# KiCad board SALU.kicad_pcb (continued)
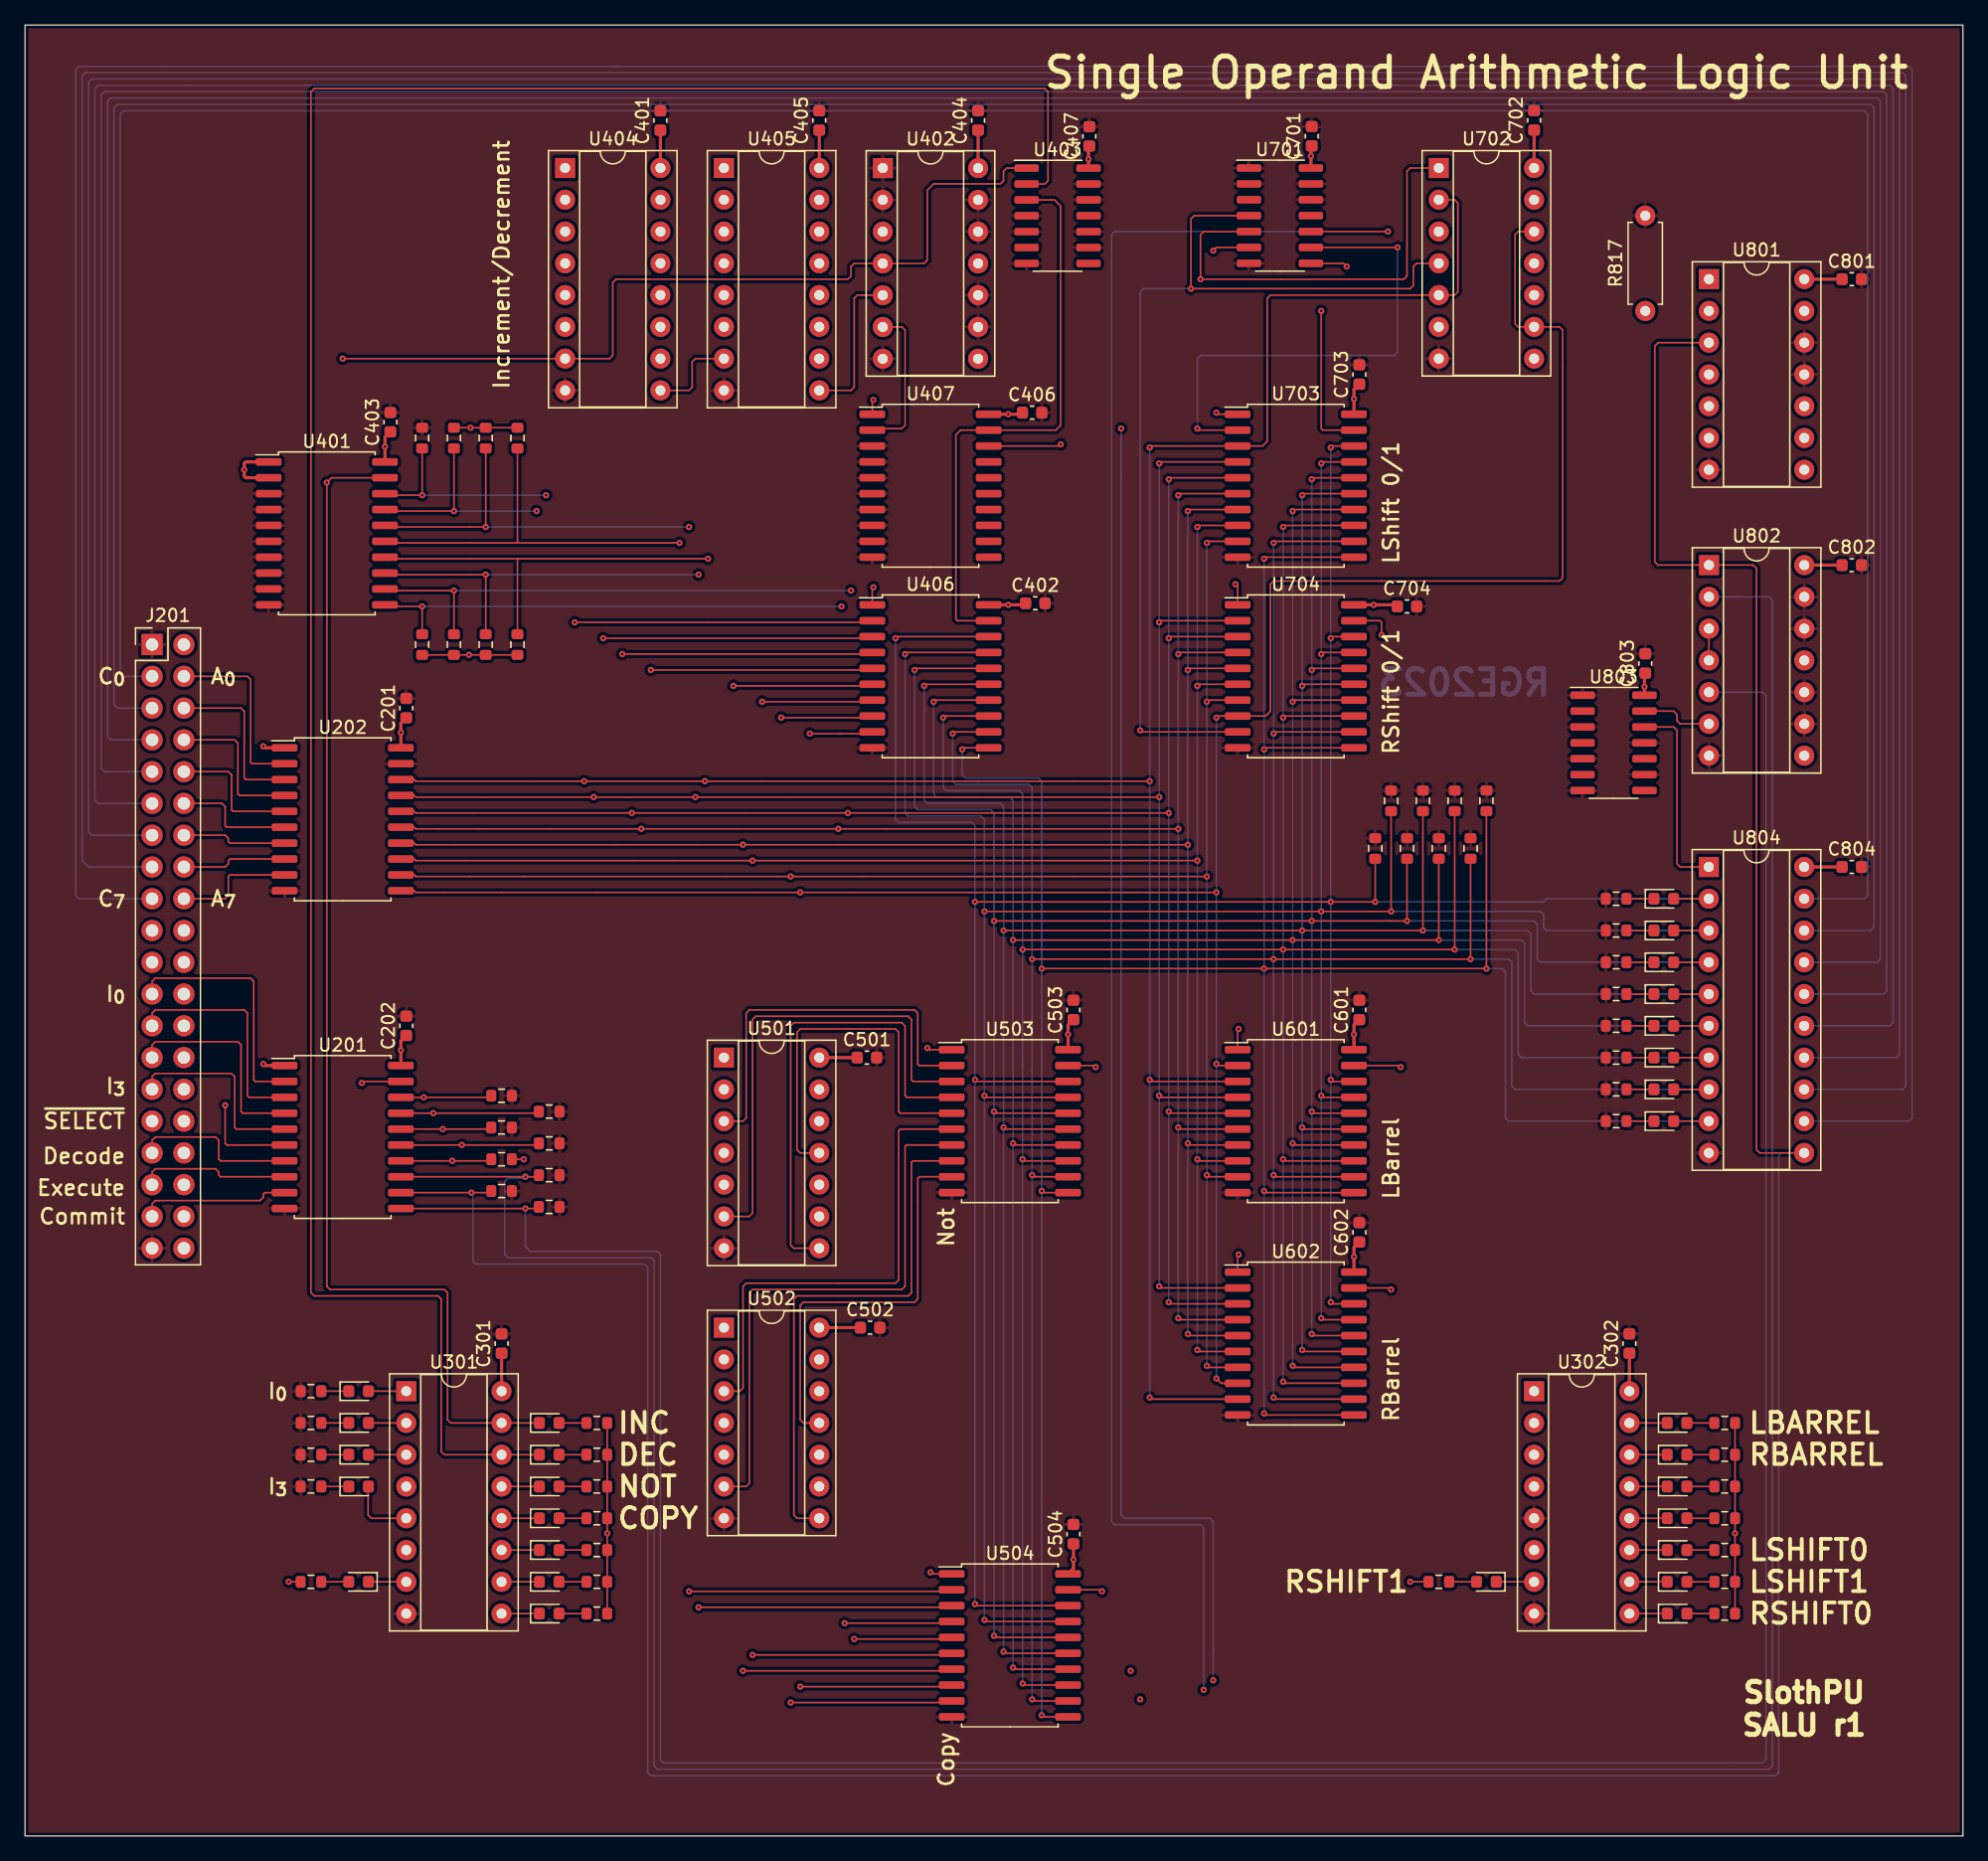
[diagram p0: board, top side]
## Nets (continued)
Net-(D804-Pad1): D804.1 R812.2
Net-(D805-Pad1): D805.1 R813.2
Net-(D806-Pad1): D806.1 R814.2
Net-(D807-Pad1): D807.1 R815.2
Net-(D808-Pad1): D808.1 R816.2
Net-(J201-Pad6): J201.6 U202.3
Net-(J201-Pad8): J201.8 U202.4
Net-(J201-Pad10): J201.10 U202.5
Net-(J201-Pad12): J201.12 U202.6
Net-(J201-Pad14): J201.14 U202.7
Net-(J201-Pad16): J201.16 U202.8
Net-(J201-Pad18): J201.18 U202.9
Net-(U402-Pad5): U402.5 U405.9
Net-(U402-Pad6): U402.6 U407.2
Net-(U404-Pad9): U404.9 U405.7
Net-(U501-Pad3): U501.3 U503.2
Net-(U501-Pad6): U501.6 U503.3
Net-(U501-Pad8): U501.8 U503.4
Net-(U501-Pad11): U501.11 U503.5
Net-(U502-Pad3): U502.3 U503.6
Net-(U502-Pad6): U502.6 U503.7
Net-(U502-Pad8): U502.8 U503.8
Net-(U502-Pad11): U502.11 U503.9
Net-(U701-Pad6): U701.6 U704.19
Net-(U701-Pad8): U701.8 U703.19
Net-(U802-Pad3): U802.3 U802.4
Net-(U802-Pad6): U802.6 U803.13

Pads without a net: J201 20 21 22 24 26 28 30 32 34 36 38; U402 3 8 11; U403 6 8 11; U407 11 12 13 14 15 16 17; U701 3 11; U801 6 8 9; U802 8 11; U803 2 4 6 8 10

## Via types
v1: diameter 0.5, hole 0.201, Top to Bottom, 224 vias

## Routing (per net, layer and track width the routed paths; a pad name or vN(x,y) marks a point on that pad's centre or on a via; arc(x,y) is an arc through that point)
+5V: length 137
  Top w0.127: R305.2 R312.2 R311.2 v1(46.55,24.19) R310.2 R309.2 R308.2 R307.2 ; U407.1 67.74,114.73 v1(67.82,114.81) ; U703.1 95.38,113.67 v1(95.25,113.79) ; 34.29,112.59 v1(35.62,112.59) 39.37,112.59 ; U406.1 67.74,99.74 v1(67.82,99.82) ; 38.92,54.1 v1(39.88,54.1) ; v1(72.14,62.99) 72.26,62.87 U503.1 ; v1(72.39,21.08) 72.52,20.96 U504.1 ; v1(97.03,46.48) 96.95,46.4 U602.1 ; R313.2 R318.2 R317.2 v1(136.72,24.19) R320.2 R319.2 R316.2 R315.2 ; U601.1 96.95,64.44 v1(97.03,64.52) ; R314.2 v1(110.74,20.32) ; v1(96.77,100.08) 96.95,99.9 U704.1 ; 22.04,20.32 v1(21.08,20.32) ; R408.1 R407.1 v1(35.5,94.43) R406.1 R405.1
  Top w0.254: v1(19.05,61.72) 19.18,61.6 U201.1 ; U407.20 v1(78.61,113.67) 79.51,113.67 79.74,113.9 ; C801.1 145.27,124.47 U801.14 ; U504.20 83.82,21.39 v1(83.82,22.1) C504.1 ; 19.48,109.86 17.65,109.86 17.53,109.73 v1(17.53,109.22) 17.53,108.71 17.65,108.59 U401.2 ; U803.14 v1(129.47,91.88) 129.47,92.9 C803.1 ; C602.1 106.25,47.06 v1(106.25,46.31) U602.20 ; C403.1 28.78,111.83 v1(28.78,111.08) 28.78,109.86 ; U404.16 C401.1 ; C601.1 106.25,64.84 v1(106.25,64.09) U601.20 ; U701.14 v1(102.81,134.3) 102.81,135.05 C701.1 ; C501.1 U501.14 ; U301.16 38.1,38.6 ; U804.20 C804.1 ; C202.1 30.05,63.57 v1(30.05,62.82) U201.20 ; U403.14 v1(85.03,134.05) 85.03,135.04 C407.1 ; U704.20 v1(107.82,98.43) 109.59,98.43 C704.1 ; C402.1 79.87,98.43 v1(78.61,98.43) U406.20 ; U503.20 v1(83.39,64.09) 83.39,64.84 C503.1 ; U405.16 C405.1 ; U202.20 v1(30.05,88.22) 30.05,88.97 C201.1 ; U702.14 120.65,136.39 ; U402.14 C404.1 ; v1(19.05,87.12) 19.18,87 U202.1 ; C802.1 145.27,101.61 U802.14 ; U302.16 128.27,38.6 ; C703.1 106.25,115.64 v1(106.25,114.89) U703.20 ; C502.1 U502.14
/Barrel Shifters/A0: length 325.4
  Top w0.127: U601.3 90.04,60.33 v1(89.92,60.45) ; U602.9 90.04,34.93 v1(89.92,35.05) ; U504.2 74.04,19.69 73.91,19.56 v1(53.09,19.56) ; U702.2 114.3,130.81 114.55,130.56 114.55,123.44 114.3,123.19 U702.5 99.57,123.19 99.31,122.94 99.31,111.51 98.93,111.12 U703.3 90.04,111.12 v1(89.92,111) ; v1(89.92,84.33) v1(54.36,84.33) v1(44.7,84.33) 31.24,84.33 31.11,84.46 U202.18
  In1.Cu w0.127: U404.5 44.45,123.19 44.7,122.94 v1(44.7,84.33) ; U501.2 U501.1 54.61,62.23 54.36,62.48 v1(54.36,84.33)
  In2.Cu w0.127: U501.2 53.34,59.69 53.09,59.44 v1(53.09,19.56)
  Bottom w0.127: v1(89.92,111) v1(89.92,84.33) v1(89.92,60.45) v1(89.92,35.05)
/Barrel Shifters/A1: length 288.2
  Top w0.127: U504.3 74.04,18.42 73.91,18.29 v1(53.85,18.29) ; U601.4 90.81,59.06 v1(90.68,59.18) ; U704.2 90.81,97.16 v1(90.68,97.03) ; U202.17 31.11,83.19 31.24,83.06 v1(45.47,83.06) v1(53.59,83.06) v1(90.68,83.06) ; v1(90.68,43.94) 90.81,43.82 96.95,43.82 ; v1(90.68,109.73) 90.81,109.86 U703.4
  In1.Cu w0.127: U501.5 U501.4 53.85,54.61 53.59,54.86 v1(53.59,83.06) ; v1(45.47,83.06) 45.47,128.02 45.21,128.27 U404.3
  In2.Cu w0.127: U501.5 54.1,52.07 53.85,51.82 v1(53.85,18.29)
  Bottom w0.127: v1(90.68,43.94) v1(90.68,59.18) v1(90.68,83.06) v1(90.68,97.03) v1(90.68,109.73)
/Barrel Shifters/A2: length 275.5
  Top w0.127: v1(91.44,81.79) v1(65.79,81.79) v1(48.51,81.79) 31.24,81.79 31.11,81.92 U202.16 ; U504.4 74.04,17.15 73.91,17.02 v1(65.53,17.02) ; U704.3 91.57,95.89 v1(91.44,95.76) ; U601.5 91.57,57.79 v1(91.44,57.91) ; v1(91.44,42.67) 91.57,42.55 U602.3 ; U703.5 91.57,108.59 v1(91.44,108.46)
  In1.Cu w0.127: U501.9 U501.10 65.53,52.07 65.79,52.32 v1(65.79,81.79) ; v1(48.51,81.79) 48.51,128.02 48.77,128.27 U404.14
  In2.Cu w0.127: U501.9 65.28,49.53 65.53,49.28 v1(65.53,17.02)
  Bottom w0.127: v1(91.44,108.46) v1(91.44,95.76) v1(91.44,81.79) v1(91.44,57.91) v1(91.44,42.67)
/Barrel Shifters/A3: length 267.9
  Top w0.127: U602.4 92.33,41.28 v1(92.2,41.4) ; 96.95,56.52 92.33,56.52 v1(92.2,56.64) ; U704.4 92.33,94.62 v1(92.2,94.49) ; U504.5 74.04,15.88 73.91,15.75 v1(66.29,15.75) ; U202.15 31.11,80.65 31.24,80.52 v1(49.28,80.52) v1(65.02,80.52) v1(92.2,80.52) ; U703.6 92.33,107.32 v1(92.2,107.19)
  In1.Cu w0.127: U501.12 U501.13 64.77,59.69 65.02,59.94 v1(65.02,80.52) ; U404.12 49.53,123.19 49.28,122.94 v1(49.28,80.52)
  In2.Cu w0.127: U501.12 66.04,57.15 66.29,56.9 v1(66.29,15.75)
  Bottom w0.127: v1(92.2,41.4) v1(92.2,56.64) v1(92.2,80.52) v1(92.2,94.49) v1(92.2,107.19)
/Barrel Shifters/A4: length 274.5
  Top w0.127: v1(58.17,14.48) 73.91,14.48 74.04,14.61 U504.6 ; v1(92.96,93.22) 93.09,93.35 U704.5 ; U202.14 31.11,79.38 31.24,79.25 v1(57.4,79.25) v1(92.96,79.25) ; U703.7 93.09,106.05 v1(92.96,105.92) ; U602.5 93.09,40.01 v1(92.96,40.13) ; v1(92.96,55.37) 93.09,55.25 U601.7
  In1.Cu w0.127: U502.2 U502.1 57.15,40.64 57.4,40.89 v1(57.4,79.25) 57.4,122.94 57.15,123.19 U405.5
  In2.Cu w0.127: U502.2 57.91,38.1 58.17,37.85 v1(58.17,14.48)
  Bottom w0.127: v1(92.96,105.92) v1(92.96,93.22) v1(92.96,79.25) v1(92.96,55.37) v1(92.96,40.13)
/Barrel Shifters/A5: length 280.1
  Top w0.127: v1(93.73,91.95) 93.85,92.08 96.95,92.08 ; v1(93.73,38.86) 93.85,38.74 96.95,38.74 ; v1(93.73,104.65) 93.85,104.78 U703.8 ; U601.8 93.85,53.98 v1(93.73,54.1) ; v1(57.4,13.21) 73.91,13.21 74.04,13.34 U504.7 ; 30.05,78.11 31.11,78.11 31.24,77.98 v1(58.17,77.98) v1(93.73,77.98)
  In1.Cu w0.127: U405.3 57.91,128.27 58.17,128.02 v1(58.17,77.98) 58.17,33.27 57.91,33.02 U502.4 U502.5
  In2.Cu w0.127: U502.5 57.15,30.48 57.4,30.23 v1(57.4,13.21)
  Bottom w0.127: v1(93.73,38.86) v1(93.73,54.1) v1(93.73,77.98) v1(93.73,91.95) v1(93.73,104.65)
/Barrel Shifters/A6: length 274.7
  Top w0.127: v1(94.49,52.83) 94.62,52.71 U601.9 ; U704.7 94.62,90.81 v1(94.49,90.68) ; v1(61.98,11.94) 73.66,11.94 73.79,12.06 U504.8 ; v1(94.49,103.38) 94.62,103.51 U703.9 ; U602.7 94.62,37.47 v1(94.49,37.59) ; U202.12 31.11,76.84 31.24,76.71 v1(61.21,76.71) v1(94.49,76.71)
  In1.Cu w0.127: U502.9 U502.10 61.47,30.48 61.21,30.73 v1(61.21,76.71) 61.21,128.02 61.47,128.27 U405.14
  In2.Cu w0.127: v1(61.98,11.94) 61.98,20.57 ; U502.9 62.23,27.94 61.98,27.69 61.98,20.32
  Bottom w0.127: v1(94.49,103.38) v1(94.49,90.68) v1(94.49,76.71) v1(94.49,52.83) v1(94.49,37.59)
/Barrel Shifters/A7: length 322.9
  Top w0.127: 96.95,61.6 95.38,61.6 v1(95.25,61.72) ; v1(95.25,89.41) 95.38,89.54 U704.8 99.19,89.54 99.57,89.92 99.57,100.08 99.82,100.33 122.68,100.33 122.94,100.58 122.94,120.4 122.68,120.65 U702.9 119.38,120.65 119.13,120.9 119.13,128.02 119.38,128.27 U702.12 ; v1(95.25,36.58) 95.63,36.2 U602.8 ; U504.9 73.79,10.8 73.66,10.67 v1(61.21,10.67) ; U202.11 31.11,75.57 31.24,75.44 v1(61.98,75.44) v1(95.25,75.44)
  In1.Cu w0.127: U405.12 62.23,123.19 61.98,122.94 v1(61.98,75.44) 61.98,38.35 62.23,38.1 U502.13 U502.12
  In2.Cu w0.127: U502.12 61.47,35.56 61.21,35.31 v1(61.21,10.67)
  Bottom w0.127: v1(95.25,36.58) v1(95.25,61.72) v1(95.25,75.44) v1(95.25,89.41)
/Barrel Shifters/RESULT0: length 246.8
  Top w0.127: U601.18 104.52,60.33 v1(104.39,60.45) ; U704.18 104.52,95.89 v1(104.39,95.76) ; v1(69.6,95.76) 69.72,95.89 U406.18 ; U602.18 104.52,42.55 v1(104.39,42.67) ; U804.2 D801.2 ; v1(75.95,74.68) v1(104.39,74.68) v1(107.95,74.68) R801.2 ; v1(104.39,111) 104.52,111.12 U703.18 ; U503.18 76.07,60.33 v1(75.95,60.45) ; v1(75.95,18.54) 76.07,18.42 U504.18
  Bottom w0.127: v1(107.95,74.68) 121.41,74.68 121.67,74.93 U804.2 ; v1(69.6,95.76) 69.6,81.28 69.85,81.03 75.69,81.03 75.95,80.77 v1(75.95,74.68) v1(75.95,60.45) v1(75.95,18.54) ; v1(104.39,111) v1(104.39,95.76) v1(104.39,74.68) v1(104.39,60.45) v1(104.39,42.67)
/Barrel Shifters/RESULT1: length 252.5
  Top w0.127: U406.17 70.48,94.62 v1(70.36,94.49) ; U804.3 D802.2 ; v1(76.71,59.18) 76.84,59.06 U503.17 ; v1(76.71,17.27) 76.84,17.15 U504.17 ; 109.22,81.94 v1(109.22,73.91) v1(103.63,73.91) v1(76.71,73.91) ; U601.17 103.76,59.06 v1(103.63,59.18) ; U704.17 103.76,94.62 v1(103.63,94.49) ; v1(103.63,41.4) 103.76,41.28 U602.17 ; v1(103.63,109.73) 103.76,109.86 U703.17
  Bottom w0.127: v1(70.36,94.49) 70.36,81.79 70.61,81.53 76.45,81.53 76.71,81.28 v1(76.71,73.91) v1(76.71,59.18) v1(76.71,17.27) ; U804.3 121.67,72.39 121.41,72.64 121.41,73.66 121.16,73.91 v1(109.22,73.91) ; v1(103.63,41.4) v1(103.63,59.18) v1(103.63,73.91) v1(103.63,94.49) v1(103.63,109.73)
/Barrel Shifters/RESULT2: length 251.2
  Top w0.127: U503.16 77.6,57.79 v1(77.47,57.91) ; U704.16 103,93.35 v1(102.87,93.22) ; U804.4 D803.2 ; v1(102.87,108.46) 103,108.59 U703.16 ; R803.2 v1(110.49,73.15) v1(102.87,73.15) v1(77.47,73.15) ; U504.16 77.6,15.88 v1(77.47,16) ; U601.16 103,57.79 v1(102.87,57.91) ; v1(71.12,93.22) 71.25,93.35 U406.16 ; v1(102.87,40.13) 103,40.01 U602.16
  Bottom w0.127: v1(77.47,16) v1(77.47,57.91) v1(77.47,73.15) 77.47,81.79 77.22,82.04 71.37,82.04 71.12,82.3 v1(71.12,93.22) ; v1(102.87,108.46) v1(102.87,93.22) v1(102.87,73.15) v1(102.87,57.91) v1(102.87,40.13) ; v1(110.49,73.15) 120.65,73.15 120.9,72.9 120.9,70.1 121.16,69.85 U804.4
/Barrel Shifters/RESULT3: length 257.5
  Top w0.127: v1(102.11,38.86) 102.24,38.74 106.25,38.74 ; v1(102.11,56.64) 102.24,56.52 106.25,56.52 ; 106.25,92.08 102.24,92.08 v1(102.11,91.95) ; 83.39,56.52 78.36,56.52 v1(78.23,56.64) ; U504.15 78.36,14.61 v1(78.23,14.73) ; v1(102.11,107.19) 102.24,107.32 U703.15 ; U804.5 D804.2 ; 77.04,92.08 72.01,92.08 v1(71.88,91.95) ; 111.76,81.94 v1(111.76,72.39) v1(102.11,72.39) v1(78.23,72.39)
  Bottom w0.127: v1(111.76,72.39) 120.14,72.39 120.4,72.14 120.4,67.56 120.65,67.31 U804.5 ; v1(102.11,38.86) v1(102.11,56.64) v1(102.11,72.39) v1(102.11,91.95) v1(102.11,107.19) ; v1(71.88,91.95) 71.88,82.8 72.14,82.55 77.98,82.55 78.23,82.3 v1(78.23,72.39) v1(78.23,56.64) v1(78.23,14.73)
/Barrel Shifters/RESULT4: length 256.5
  Top w0.127: U602.14 101.47,37.47 v1(101.35,37.59) ; v1(101.35,90.68) 101.47,90.81 U704.14 ; R805.2 v1(113.03,71.63) v1(101.35,71.63) v1(78.99,71.63) ; U504.14 79.12,13.34 v1(78.99,13.46) ; v1(101.35,55.37) 101.47,55.25 U601.14 ; U804.6 D805.2 ; v1(72.64,90.68) 72.77,90.81 U406.14 ; U503.14 79.12,55.25 v1(78.99,55.37) ; v1(101.35,105.92) 101.47,106.05 U703.14
  Bottom w0.127: U804.6 120.14,64.77 119.89,65.02 119.89,71.37 119.63,71.63 v1(113.03,71.63) ; v1(78.99,13.46) 78.99,43.94 ; 78.99,43.69 v1(78.99,55.37) v1(78.99,71.63) 78.99,82.8 78.74,83.06 72.9,83.06 72.64,83.31 v1(72.64,90.68) ; v1(101.35,105.92) v1(101.35,90.68) v1(101.35,71.63) v1(101.35,55.37) v1(101.35,37.59)
/Barrel Shifters/RESULT5: length 262.9
  Top w0.127: U406.13 73.53,89.54 v1(73.41,89.41) ; 114.3,81.94 v1(114.3,70.87) v1(100.58,70.87) v1(79.76,70.87) ; v1(100.58,36.32) 100.71,36.2 U602.13 ; v1(79.76,54.1) 79.88,53.98 U503.13 ; U601.13 100.71,53.98 v1(100.58,54.1) ; v1(100.58,104.65) 100.71,104.78 U703.13 ; v1(79.76,12.19) 79.88,12.06 U504.13 ; U804.7 D806.2 ; v1(100.58,89.41) 100.71,89.54 U704.13
  Bottom w0.127: v1(79.76,12.19) v1(79.76,54.1) 79.76,61.72 ; 79.76,61.47 v1(79.76,70.87) 79.76,83.31 79.5,83.57 73.66,83.57 73.41,83.82 v1(73.41,89.41) ; v1(114.3,70.87) 119.13,70.87 119.38,70.61 119.38,62.48 119.63,62.23 U804.7 ; v1(100.58,36.32) v1(100.58,54.1) v1(100.58,70.87) v1(100.58,89.41) v1(100.58,104.65)
/Barrel Shifters/RESULT6: length 261.9
  Top w0.127: v1(80.52,10.92) 80.64,10.8 U504.12 ; v1(80.52,70.1) v1(99.82,70.1) v1(115.57,70.1) R807.2 ; v1(99.82,88.14) 99.95,88.27 U704.12 ; U406.12 74.3,88.27 v1(74.17,88.14) ; U703.12 99.95,103.51 v1(99.82,103.38) ; v1(99.82,52.83) 99.95,52.71 U601.12 ; v1(99.82,35.05) 99.95,34.93 U602.12 ; U503.12 80.64,52.71 v1(80.52,52.83) ; U804.8 D807.2
  Bottom w0.127: v1(115.57,70.1) 118.62,70.1 118.87,69.85 118.87,59.94 119.13,59.69 U804.8 ; v1(99.82,103.38) v1(99.82,88.14) v1(99.82,70.1) v1(99.82,52.83) v1(99.82,35.05) ; 80.52,61.47 v1(80.52,52.83) v1(80.52,10.92) ; 80.52,60.96 v1(80.52,70.1) 80.52,83.82 80.26,84.07 74.42,84.07 74.17,84.33 v1(74.17,88.14)
/Barrel Shifters/RESULT7: length 267.7
  Top w0.127: v1(74.93,86.87) 75.06,87 U406.11 ; v1(99.06,51.56) 99.19,51.44 106.25,51.44 ; v1(81.28,69.34) v1(99.06,69.34) v1(116.84,69.34) 116.84,81.94 ; U804.9 D808.2 ; U704.11 99.19,87 v1(99.06,86.87) ; U703.11 99.19,102.24 v1(99.06,102.11) ; v1(81.28,9.65) 81.41,9.53 U504.11 ; 106.25,33.66 99.19,33.66 v1(99.06,33.78) ; v1(81.28,51.56) 81.41,51.44 83.39,51.44
  Bottom w0.127: U804.9 118.62,57.15 118.36,57.4 118.36,69.09 118.11,69.34 v1(116.84,69.34) ; v1(99.06,33.78) v1(99.06,51.56) v1(99.06,69.34) v1(99.06,102.11) ; v1(74.93,86.87) 74.93,84.84 75.18,84.58 81.03,84.58 81.28,84.33 v1(81.28,69.34) v1(81.28,51.56) v1(81.28,9.65)
/Connector/A^{raw}_{0}: length 14.8
  Top w0.127: 20.75,85.73 18.16,85.73 18.03,85.85 18.03,92.46 17.78,92.71 J201.4
/Connector/C0: length 254.9
  Bottom w0.127: U804.19 147.07,74.93 147.32,75.18 147.32,137.67 147.07,137.92 7.87,137.92 7.62,137.67 7.62,92.96 7.87,92.71 J201.3
/Connector/C1: length 263.1
  Bottom w0.127: U804.18 147.57,72.39 147.83,72.64 147.83,138.18 147.57,138.43 7.37,138.43 7.11,138.18 7.11,90.42 7.37,90.17 J201.5
/Connector/C2: length 271.2
  Bottom w0.127: U804.17 148.08,69.85 148.34,70.1 148.34,138.68 148.08,138.94 6.86,138.94 6.6,138.68 6.6,87.88 6.86,87.63 J201.7
/Connector/C3: length 279.3
  Bottom w0.127: U804.16 148.59,67.31 148.84,67.56 148.84,139.19 148.59,139.45 6.35,139.45 6.1,139.19 6.1,85.34 6.35,85.09 J201.9
/Connector/C4: length 287.4
  Bottom w0.127: U804.15 149.1,64.77 149.35,65.02 149.35,139.7 149.1,139.95 5.84,139.95 5.59,139.7 5.59,82.8 5.84,82.55 J201.11
/Connector/C5: length 295.6
  Bottom w0.127: U804.14 149.61,62.23 149.86,62.48 149.86,140.21 149.61,140.46 5.33,140.46 5.08,140.21 5.08,80.26 5.33,80.01 J201.13
/Connector/C6: length 303.5
  Bottom w0.127: U804.13 150.11,59.69 150.37,59.94 150.37,140.72 150.11,140.97 4.83,140.97 4.57,140.72 4.57,77.98 5.08,77.47 J201.15
/Connector/C7: length 312.3
  Bottom w0.127: 47.5,141.48 4.32,141.48 4.06,141.22 4.06,75.18 4.32,74.93 J201.17 ; U804.12 150.62,57.15 150.88,57.4 150.88,141.22 150.62,141.48 46.99,141.48
/Connector/Commit_{raw}: length 12.1
  Top w0.127: J201.37 10.16,50.55 10.41,50.8 18.8,50.8 19.05,51.05 19.05,51.31 19.18,51.44 20.75,51.44
/Connector/Control.Commit: length 243.9
  Top w0.127: U201.11 v1(40,50.17) 40.96,50.17 R208.1
  Bottom w0.127: v1(40,50.17) 40,47.12 40.39,46.74 50.55,46.74 50.8,46.48 50.8,6.1 51.05,5.84 138.94,5.84 139.19,6.1 139.19,91.19 138.93,91.45 U802.5
/Connector/Control.Decode: length 259.3
  Top w0.127: R206.1 40.96,52.71 v1(40,52.71) U201.13
  Bottom w0.127: U802.2 136.9,99.07 136.91,99.06 139.45,99.06 139.7,98.81 139.7,5.59 139.45,5.33 50.55,5.33 50.29,5.59 50.29,45.97 50.04,46.23 38.61,46.23 38.35,46.48 38.35,52.32 38.61,52.58 39.88,52.58 v1(40,52.71)
/Connector/Control.Execute: length 289.9
  Top w0.127: 30.05,51.44 v1(35.69,51.44) 37.15,51.44 R207.1 ; U804.11 138.68,54.61 138.43,54.86 138.43,101.35 138.17,101.61 U802.1 130.56,101.61 130.56,101.6 130.3,101.85 130.3,119.13 130.56,119.39 U801.3
  Bottom w0.127: v1(35.69,51.44) 35.81,51.31 35.81,45.97 36.07,45.72 49.53,45.72 49.78,45.47 49.78,5.08 50.04,4.83 139.95,4.83 140.21,5.08 140.21,54.36 140.46,54.61 U804.11
/Connector/Control.I0: length 209.1
  Top w0.127: U301.1 D304.2 ; R201.1 37.15,59.06 v1(31.88,59.06) U201.18
  In1.Cu w0.127: U302.1 123.95,35.56 124.21,35.31 124.21,4.32 123.95,4.06 23.62,4.06 23.37,4.32 23.37,35.31 23.62,35.56 U301.1 31.75,35.56 32,35.81 32,58.93 v1(31.88,59.06)
/Connector/Control.I1: length 206.8
  Top w0.127: U301.2 D303.2 ; U201.17 v1(32.64,57.79) 40.96,57.79 R202.1
  In1.Cu w0.127: U302.2 123.44,33.02 123.7,32.77 123.7,4.83 123.44,4.57 24.13,4.57 23.88,4.83 23.88,32.77 24.13,33.02 U301.2 32.51,33.02 32.77,33.27 32.77,57.66 v1(32.64,57.79)
/Connector/Control.I2: length 196.9
  Top w0.127: R203.1 37.15,56.52 v1(33.4,56.52) U201.16 ; U301.3 D302.2
  In1.Cu w0.127: U302.3 122.94,30.48 123.19,30.23 123.19,5.33 122.94,5.08 24.64,5.08 24.38,5.33 24.38,30.23 24.64,30.48 U301.3 33.27,30.48 33.53,30.73 33.53,56.39 v1(33.4,56.52)
/Connector/Control.I3: length 189.7
  Top w0.127: U301.5 27.69,25.4 27.43,25.65 27.43,27.91 D301.2 ; U201.15 v1(34.92,55.25) 40.96,55.25 R204.1
  In1.Cu w0.127: U302.6 121.92,22.86 122.17,22.61 122.17,6.35 121.92,6.1 25.65,6.1 25.4,6.35 25.4,25.15 25.65,25.4 U301.5 34.8,25.4 35.05,25.65 35.05,55.12 v1(34.92,55.25)
/Connector/Control.~{SELECT}: length 186.5
  Top w0.127: U201.14 v1(34.16,53.98) 37.15,53.98 R205.1
  In1.Cu w0.127: U302.4 122.43,27.94 122.68,27.69 122.68,5.84 122.43,5.59 25.15,5.59 24.89,5.84 24.89,27.69 25.15,27.94 U301.4 34.04,27.94 34.29,28.19 34.29,53.85 v1(34.16,53.98)
/Connector/Decode_{raw}: length 13.4
  Top w0.127: J201.33 10.16,55.63 10.41,55.88 15.24,55.88 15.49,55.63 15.49,54.1 15.62,53.98 U201.7
/Connector/Execute_{raw}: length 12.1
  Top w0.127: U201.8 15.62,52.71 15.49,52.83 15.49,53.09 15.24,53.34 10.41,53.34 10.16,53.09 J201.35
/Connector/I^{raw}_{0}: length 19.7
  Top w0.127: U201.2 18.41,60.33 18.29,60.45 18.29,68.33 18.03,68.58 10.41,68.58 10.16,68.33 J201.23
/Connector/I^{raw}_{1}: length 18.5
  Top w0.127: U201.3 17.91,59.06 17.78,59.18 17.78,65.79 17.53,66.04 10.41,66.04 10.16,65.79 J201.25
/Connector/I^{raw}_{2}: length 17.2
  Top w0.127: U201.4 17.4,57.79 17.27,57.91 17.27,63.25 17.02,63.5 10.41,63.5 10.16,63.25 J201.27
/Connector/I^{raw}_{3}: length 15.9
  Top w0.127: J201.29 10.16,60.71 10.41,60.96 16.51,60.96 16.76,60.71 16.76,56.64 16.89,56.52 U201.5
/Connector/SALUFLAG: length 226.7
  In1.Cu w0.127: U801.5 138.18,114.31 138.43,114.55 138.43,137.92 138.18,138.18 7.62,138.18 7.37,137.92 7.37,72.64 7.62,72.39 J201.19
/Connector/~{SELECT_{SALU}}: length 30.4
  Top w0.127: U201.19 27.05,60.33 v1(26.92,60.2) ; v1(16,58.42) 16,55.37 16.13,55.25 U201.6
  In2.Cu w0.127: v1(26.92,60.2) 18.03,60.2 17.78,59.94 17.78,58.67 17.53,58.42 v1(16,58.42) 10.41,58.42 10.16,58.17 J201.31
/Incrementer-Decrementer/B0: length 31.9
  Top w0.127: R401.2 v1(31.75,107.19) 28.96,107.19 28.83,107.32 28.78,107.32
  In1.Cu w0.127: v1(41.66,107.19) 41.4,107.44 41.4,120.4 41.66,120.65 U404.6
  Bottom w0.127: v1(31.75,107.19) v1(41.66,107.19)
/Incrementer-Decrementer/B1: length 44.2
  Top w0.127: R402.2 v1(34.29,105.92) 28.96,105.92 28.83,106.05 U401.17
  In1.Cu w0.127: U404.2 41.15,130.81 40.89,130.56 v1(40.89,105.92)
  Bottom w0.127: v1(34.29,105.92) v1(40.89,105.92)
/Incrementer-Decrementer/B2: length 58.8
  Top w0.127: R403.2 v1(36.83,104.65) 28.96,104.65 28.83,104.78 28.78,104.78
  In1.Cu w0.127: v1(53.09,104.65) 52.83,104.9 52.83,130.56 52.58,130.81 U404.15
  Bottom w0.127: v1(36.83,104.65) v1(53.09,104.65)
/Incrementer-Decrementer/B3: length 49.8
  Top w0.127: 39.37,103.38 28.96,103.38 28.83,103.51 U401.15 ; 39.37,103.38 v1(52.32,103.38) ; 39.37,103.38 R404.2
  In1.Cu w0.127: v1(52.32,103.38) 52.32,120.4 52.07,120.65 U404.11
/Incrementer-Decrementer/B4: length 51.9
  Top w0.127: 39.37,102.11 v1(54.61,102.11) ; 39.37,102.11 28.96,102.11 28.83,102.24 28.78,102.24 ; 39.37,102.11 R405.2
  In1.Cu w0.127: v1(54.61,102.11) 54.36,102.36 54.36,120.4 54.61,120.65 U405.6
/Incrementer-Decrementer/B5: length 61.7
  Top w0.127: R406.2 v1(36.83,100.84) 28.96,100.84 28.83,100.97 U401.13
  In1.Cu w0.127: v1(53.85,100.84) 53.85,130.56 54.1,130.81 U405.2
  Bottom w0.127: v1(36.83,100.84) v1(53.85,100.84)
/Incrementer-Decrementer/B6: length 74.3
  Top w0.127: R407.2 v1(34.29,99.57) 28.96,99.57 28.83,99.7 U401.12
  In1.Cu w0.127: v1(66.04,99.57) 65.79,99.82 65.79,130.56 65.53,130.81 U405.15
  Bottom w0.127: v1(34.29,99.57) v1(66.04,99.57)
/Incrementer-Decrementer/B7: length 62.8
  Top w0.127: R408.2 v1(31.75,98.3) 28.96,98.3 28.83,98.43 U401.11
  In1.Cu w0.127: U405.11 65.02,120.65 65.28,120.4 v1(65.28,98.3)
  Bottom w0.127: v1(31.75,98.3) v1(65.28,98.3)
/Incrementer-Decrementer/FLAG: length 94.4
  Top w0.127: v1(82.8,111.25) 82.68,111.12 U407.18
  In1.Cu w0.127: U702.8 129.29,118.11 129.54,118.36 R817.1 134.62,121.92 U801.2
  In2.Cu w0.127: v1(82.8,111.25) 86.11,111.25 86.36,111.51 86.36,120.4 86.61,120.65 U702.6 116.59,120.65 116.84,120.4 116.84,118.36 117.09,118.11 U702.8 122.68,118.11 122.94,118.36 122.94,125.48 122.68,125.73 U702.11 116.84,125.73 116.59,125.98 116.59,128.02 116.33,128.27 U702.3
/Incrementer-Decrementer/S_{0}: length 54.6
  Top w0.127: v1(43.94,97.03) 67.56,97.03 67.69,97.16 U406.2
  In2.Cu w0.127: v1(43.94,97.03) 44.96,98.04 44.96,125.48 44.7,125.73 U404.4
/Incrementer-Decrementer/S_{1}: length 62.1
  Top w0.127: v1(46.23,95.76) 67.56,95.76 67.69,95.89 U406.3
  In2.Cu w0.127: v1(46.23,95.76) 46.23,133.1 45.97,133.35 U404.1
/Incrementer-Decrementer/S_{2}: length 54.2
  Top w0.127: U406.4 67.69,94.62 67.56,94.49 v1(47.75,94.49)
  In2.Cu w0.127: U404.13 48.01,125.73 47.75,125.48 v1(47.75,94.49)
/Incrementer-Decrementer/S_{3}: length 44.7
  Top w0.127: U406.5 67.69,93.35 67.56,93.22 v1(50.04,93.22)
  In2.Cu w0.127: v1(50.04,93.22) 49.02,94.23 49.02,117.86 49.28,118.11 U404.10
/Incrementer-Decrementer/S_{4}: length 47
  Top w0.127: 67.74,92.08 67.69,92.08 67.56,91.95 v1(56.64,91.95)
  In2.Cu w0.127: U405.4 57.4,125.73 57.66,125.48 57.66,92.96 v1(56.64,91.95)
/Incrementer-Decrementer/S_{5}: length 54.4
  Top w0.127: U406.7 67.69,90.81 67.56,90.68 v1(58.93,90.68)
  In2.Cu w0.127: U405.1 58.67,133.35 58.93,133.1 v1(58.93,90.68)
/Incrementer-Decrementer/S_{6}: length 46.6
  Top w0.127: v1(60.45,89.41) 67.56,89.41 67.69,89.54 U406.8
  In2.Cu w0.127: U405.13 60.71,125.73 60.45,125.48 v1(60.45,89.41)
/Incrementer-Decrementer/S_{7}: length 37.3
  Top w0.127: v1(62.74,88.14) 65.28,88.14 ; U406.9 67.69,88.27 67.56,88.14 65.02,88.14
  In2.Cu w0.127: v1(62.74,88.14) 61.72,89.15 61.72,117.86 61.98,118.11 U405.10
/Incrementer-Decrementer/~{OE}: length 46.6
  Top w0.127: U403.3 82.31,130.8 82.8,130.3 82.8,112.78 82.42,112.4 U407.19 74.8,112.4 74.42,112.01 74.42,97.28 74.55,97.16 U406.19
/Instruction Decoder/~{BAD_{0}}: length 3
  Top w0.127: U301.11 D307.1
/Instruction Decoder/~{BAD_{1}}: length 3
  Top w0.127: U301.10 D308.1
/Instruction Decoder/~{BAD_{2}}: length 3
  Top w0.127: U301.9 D305.1
/Instruction Decoder/~{BAD_{3}}: length 3
  Top w0.127: U301.7 D306.1
/Instruction Decoder/~{BAD_{4}}: length 3
  Top w0.127: U302.13 D317.1
/Instruction Decoder/~{BAD_{5}}: length 3
  Top w0.127: U302.12 D318.1
/Instruction Decoder/~{COPY}: length 89.2
  Top w0.127: U301.12 D312.1 ; v1(86.11,19.56) 85.98,19.69 U504.19
  In2.Cu w0.127: U301.12 35.56,25.4 35.31,25.15 35.31,7.62 35.56,7.37 85.85,7.37 86.11,7.62 v1(86.11,19.56)
/Instruction Decoder/~{DEC}: length 194.9
  Top w0.127: U403.2 81.52,132.07 81.79,132.33 81.79,139.45 81.53,139.7 23.11,139.7 22.86,139.45 22.86,43.43 23.11,43.18 33.02,43.18 33.27,42.93 33.27,30.73 33.53,30.48 U301.14 D310.1
/Instruction Decoder/~{INC}: length 176.1
  Top w0.127: U401.19 24.51,108.59 v1(24.13,108.2) 24.13,43.94 24.38,43.69 33.53,43.69 33.78,43.43 33.78,33.27 34.04,33.02 U301.15 D309.1 ; U403.1 78.48,133.34 78.23,133.1 78.23,132.33 77.98,132.08 72.64,132.08 72.14,131.57 72.14,125.98 71.87,125.72 U402.4 66.28,125.72 66.04,125.48 66.04,124.71 65.79,124.46 47.24,124.46 46.99,124.21 46.99,118.36 46.74,118.11 U404.7 v1(25.4,118.11)
  In1.Cu w0.127: v1(25.4,118.11) 24.38,118.11 24.13,117.86 v1(24.13,108.2)
/Instruction Decoder/~{LBARREL}: length 53.2
  Top w0.127: U302.15 D315.1 ; 106.25,61.6 109.85,61.6 v1(109.98,61.47)
  In2.Cu w0.127: U302.15 123.95,33.02 123.7,33.27 123.7,61.21 123.44,61.47 v1(109.98,61.47)
/Instruction Decoder/~{LSHIFT0}: length 232.4
  Top w0.127: v1(93.73,112.52) 93.85,112.4 U703.2 ; U701.9 v1(109.73,127) ; D319.1 U302.11
  In1.Cu w0.127: v1(109.73,127) 109.73,135.64 109.98,135.89 116.33,135.89 116.59,135.64 116.59,123.44 116.84,123.19 U702.10
  In2.Cu w0.127: U302.11 124.71,22.86 124.46,22.61 124.46,12.7 124.21,12.45 v1(95,12.45) ; v1(93.73,112.52) v1(87.63,112.52)
  Bottom w0.127: v1(87.63,112.52) 87.63,25.65 87.88,25.4 94.74,25.4 95,25.15 95,14.73 ; v1(95,12.45) 95,14.99 ; v1(93.73,112.52) 93.73,118.11 93.98,118.36 109.47,118.36 109.73,118.62 v1(109.73,127)
/Instruction Decoder/~{LSHIFT1}: length 222.1
  Top w0.127: U701.10 v1(108.97,128.27) ; U302.10 D320.1
  In1.Cu w0.127: v1(108.97,128.27) 108.97,136.14 109.22,136.4 116.84,136.4 117.09,136.14 117.09,131.06 117.35,130.81 U702.13
  In2.Cu w0.127: U302.10 125.22,20.32 124.97,20.07 124.97,11.94 124.71,11.68 v1(94.23,11.68)
  Bottom w0.127: v1(108.97,128.27) 87.12,128.27 86.87,128.02 86.87,25.15 87.12,24.89 93.98,24.89 94.23,24.64 v1(94.23,11.68)
/Instruction Decoder/~{NOT}: length 137.5
  Top w0.127: 83.39,61.6 85.47,61.6 v1(85.6,61.47) ; U301.13 D311.1
  In2.Cu w0.127: U301.13 35.05,27.94 34.8,27.69 34.8,7.11 35.05,6.86 86.87,6.86 87.12,7.11 87.12,61.21 86.87,61.47 v1(85.6,61.47)
/Instruction Decoder/~{RBARREL}: length 38
  Top w0.127: U302.14 D316.1 ; 106.25,43.82 109.09,43.82 v1(109.22,43.69)
  In2.Cu w0.127: v1(109.22,43.69) 122.94,43.69 123.19,43.43 123.19,30.73 123.44,30.48 U302.14
/Instruction Decoder/~{RSHIFT0}: length 205.1
  Top w0.127: U704.9 89.28,88.27 v1(89.15,88.39) ; U702.4 111.25,125.73 111,125.48 111,123.95 110.74,123.7 v1(93.22,123.7) 93.22,129.29 93.47,129.54 U701.4 ; U302.9 D313.1
  In1.Cu w0.127: v1(89.15,10.92) v1(89.15,88.39)
  In2.Cu w0.127: U302.9 125.73,17.78 125.48,17.53 125.48,11.18 125.22,10.92 v1(89.15,10.92)
  Bottom w0.127: v1(89.15,88.39) 89.15,123.44 89.41,123.7 v1(93.22,123.7)
/Instruction Decoder/~{RSHIFT1}: length 197.5
  Top w0.127: U702.1 110.74,133.35 110.49,133.1 110.49,124.71 110.24,124.46 v1(93.98,124.46) 93.98,128.02 94.23,128.27 U701.5 ; U302.7 D314.1
  In1.Cu w0.127: v1(93.98,124.46) 88.65,124.46 88.39,124.21 v1(88.39,13.21)
  In2.Cu w0.127: U302.7 122.17,20.32 122.43,20.07 122.43,13.46 122.17,13.21 v1(88.39,13.21)
/Output Stage/~{OE}: length 16
  Top w0.127: U804.1 132.33,77.47 132.08,77.72 132.08,88.39 131.81,88.66 U803.12
Net-(D301-Pad1): length 2.2
  Top w0.127: D301.1 R301.2
Net-(D302-Pad1): length 2.2
  Top w0.127: D302.1 R302.2
Net-(D303-Pad1): length 2.2
  Top w0.127: D303.1 R303.2
Net-(D304-Pad1): length 2.2
  Top w0.127: D304.1 R304.2
Net-(D305-Pad2): length 2.2
  Top w0.127: D305.2 R305.1
Net-(D306-Pad2): length 2.2
  Top w0.127: D306.2 R306.1
Net-(D307-Pad2): length 2.2
  Top w0.127: D307.2 R311.1
Net-(D308-Pad2): length 2.2
  Top w0.127: D308.2 R312.1
Net-(D309-Pad2): length 2.2
  Top w0.127: D309.2 R307.1
Net-(D310-Pad2): length 2.2
  Top w0.127: D310.2 R308.1
Net-(D311-Pad2): length 2.2
  Top w0.127: D311.2 R309.1
Net-(D312-Pad2): length 2.2
  Top w0.127: D312.2 R310.1
Net-(D313-Pad2): length 2.2
  Top w0.127: D313.2 135.06,17.78
Net-(D314-Pad2): length 2.2
  Top w0.127: D314.2 R314.1
Net-(D315-Pad2): length 2.2
  Top w0.127: D315.2 135.06,33.02
Net-(D316-Pad2): length 2.2
  Top w0.127: D316.2 135.06,30.48
Net-(D317-Pad2): length 2.2
  Top w0.127: D317.2 135.06,27.94
Net-(D318-Pad2): length 2.2
  Top w0.127: D318.2 135.06,25.4
Net-(D319-Pad2): length 2.2
  Top w0.127: D319.2 135.06,22.86
Net-(D320-Pad2): length 2.2
  Top w0.127: D320.2 135.06,20.32
Net-(D801-Pad1): length 2.2
  Top w0.127: D801.1 R809.2
Net-(D802-Pad1): length 2.2
  Top w0.127: D802.1 R810.2
Net-(D803-Pad1): length 2.2
  Top w0.127: D803.1 R811.2
Net-(D804-Pad1): length 2.2
  Top w0.127: D804.1 R812.2
Net-(D805-Pad1): length 2.2
  Top w0.127: D805.1 R813.2
Net-(D806-Pad1): length 2.2
  Top w0.127: D806.1 R814.2
Net-(D807-Pad1): length 2.2
  Top w0.127: D807.1 R815.2
Net-(D808-Pad1): length 2
  Top w0.127: D808.1 128.27,57.15
Net-(J201-Pad6): length 13.5
  Top w0.127: U202.3 17.65,84.46 17.53,84.58 17.53,89.92 17.27,90.17 J201.6
Net-(J201-Pad8): length 12.3
  Top w0.127: J201.8 16.76,87.63 17.02,87.38 17.02,83.31 17.14,83.19 U202.4
Net-(J201-Pad10): length 11
  Top w0.127: J201.10 16.26,85.09 16.51,84.84 16.51,82.04 16.64,81.92 U202.5
Net-(J201-Pad12): length 9.7
  Top w0.127: U202.6 16.13,80.65 16,80.77 16,82.3 15.75,82.55 J201.12
Net-(J201-Pad14): length 8.5
  Top w0.127: J201.14 16,80.01 16.26,79.76 16.26,79.5 16.38,79.38 U202.7
Net-(J201-Pad16): length 8.5
  Top w0.127: J201.16 16,77.47 16.26,77.72 16.26,77.98 16.38,78.11 20.75,78.11
Net-(J201-Pad18): length 9.7
  Top w0.127: U202.9 16.38,76.84 16.26,76.71 16.26,75.18 16,74.93 J201.18
Net-(U402-Pad5): length 12.4
  Top w0.127: U402.5 66.56,123.18 66.55,123.19 66.29,122.94 66.29,115.82 66.04,115.57 U405.9
Net-(U402-Pad6): length 12.3
  Top w0.127: U407.2 67.87,112.52 70.1,112.52 70.36,112.78 70.36,120.4 70.1,120.65 70.09,120.64 U402.6
Net-(U404-Pad9): length 7.3
  Top w0.127: U404.9 53.09,115.57 53.34,115.82 53.34,117.86 53.59,118.11 U405.7
Net-(U501-Pad3): length 31
  Top w0.127: U501.3 57.4,57.15 57.66,57.4 57.66,65.79 57.91,66.04 71.12,66.04 71.37,65.79 71.37,61.72 71.5,61.6 74.09,61.6
Net-(U501-Pad6): length 38.9
  Top w0.127: U501.6 57.91,49.53 58.17,49.78 58.17,65.28 58.42,65.53 70.61,65.53 70.87,65.28 70.87,60.45 70.99,60.33 U503.3
Net-(U501-Pad8): length 38.6
  Top w0.127: U503.4 70.48,59.06 70.36,59.18 70.36,64.77 70.1,65.02 61.47,65.02 61.21,64.77 61.21,47.24 61.47,46.99 U501.8
Net-(U501-Pad11): length 30.3
  Top w0.127: U501.11 61.98,54.61 61.72,54.86 61.72,64.26 61.98,64.52 69.6,64.52 69.85,64.26 69.85,57.91 69.98,57.79 U503.5
Net-(U502-Pad3): length 38.6
  Top w0.127: 74.09,56.52 69.98,56.52 69.85,56.39 69.85,44.45 69.6,44.2 57.66,44.2 57.4,43.94 57.4,35.81 57.15,35.56 U502.3
Net-(U502-Pad6): length 45
  Top w0.127: U503.7 70.48,55.25 70.36,55.12 70.36,43.94 70.1,43.69 58.17,43.69 57.91,43.43 57.91,28.19 57.66,27.94 U502.6
Net-(U502-Pad8): length 42.7
  Top w0.127: U502.8 61.72,25.4 61.47,25.65 61.47,42.93 61.72,43.18 70.61,43.18 70.87,43.43 70.87,53.85 70.99,53.98 U503.8
Net-(U502-Pad11): length 32.8
  Top w0.127: U503.9 71.5,52.71 71.37,52.58 71.37,42.93 71.12,42.67 62.23,42.67 61.98,42.42 61.98,33.27 62.23,33.02 U502.11
Net-(U701-Pad6): length 50.1
  Top w0.127: U701.6 95.25,127 v1(95,126.75) ; U704.19 108.33,97.16 108.46,97.03 v1(108.46,96.01)
  In1.Cu w0.127: v1(95,126.75) 95,119.63 95.25,119.38 108.2,119.38 108.46,119.13 v1(108.46,96.01)
Net-(U701-Pad8): length 20.5
  Top w0.127: U701.8 105.41,125.73 v1(105.66,125.48) ; v1(103.63,121.92) 103.63,112.52 103.76,112.4 U703.19
  In1.Cu w0.127: v1(103.63,121.92) 105.41,121.92 105.66,122.17 v1(105.66,125.48)
Net-(U802-Pad3): length 2.5
  Top w0.127: U802.4 U802.3
Net-(U802-Pad6): length 5.9
  Top w0.127: U802.6 132.34,88.91 132.33,88.9 132.08,89.15 132.08,89.66 131.81,89.93 U803.13

## Copper pours and planes (outline as drawn; the poured copper is in the pictures)
+5V on Bottom: 175.26,-17.78 -27.94,-17.78 -27.94,172.72 175.26,172.72
GND on Top: 162.56,-5.08 -15.24,-5.08 -15.24,160.02 162.56,160.02
GND on In1.Cu: 200.66,-43.18 -53.34,-43.18 -53.34,198.12 200.66,198.12
GND on In2.Cu: 187.96,-30.48 -40.64,-30.48 -40.64,185.42 187.96,185.42

## Text on the board
Bottom: RGE2023
F.Silkscreen: A_{0} | A_{7} | C_{0} | C_{7} | I_{0} | I_{3} | ~{SELECT} | Decode | Execute | Commit | Increment/Decrement | Not | Copy | LShift 0/1 | RShift 0/1 | LBarrel | RBarrel | INC | DEC | NOT | COPY | LBARREL | RBARREL | LSHIFT0 | LSHIFT1 | RSHIFT0 | RSHIFT1 | SlothPU / SALU r${REVISION} | Single Operand Arithmetic Logic Unit
